# Altium PCB GenPulseBox.PcbDoc (part 1 of 3)
Units mm, origin at the board's own origin, x right, y up, seen from the top; angles counter-clockwise.
Board outline 140 x 74.6 mm, 4 copper layers (Top Layer, Mid-Layer 1, Mid-Layer 2, Bottom Layer), stack 1.572 mm thick; 214 components, 189 nets, 883 pads, 234 vias.
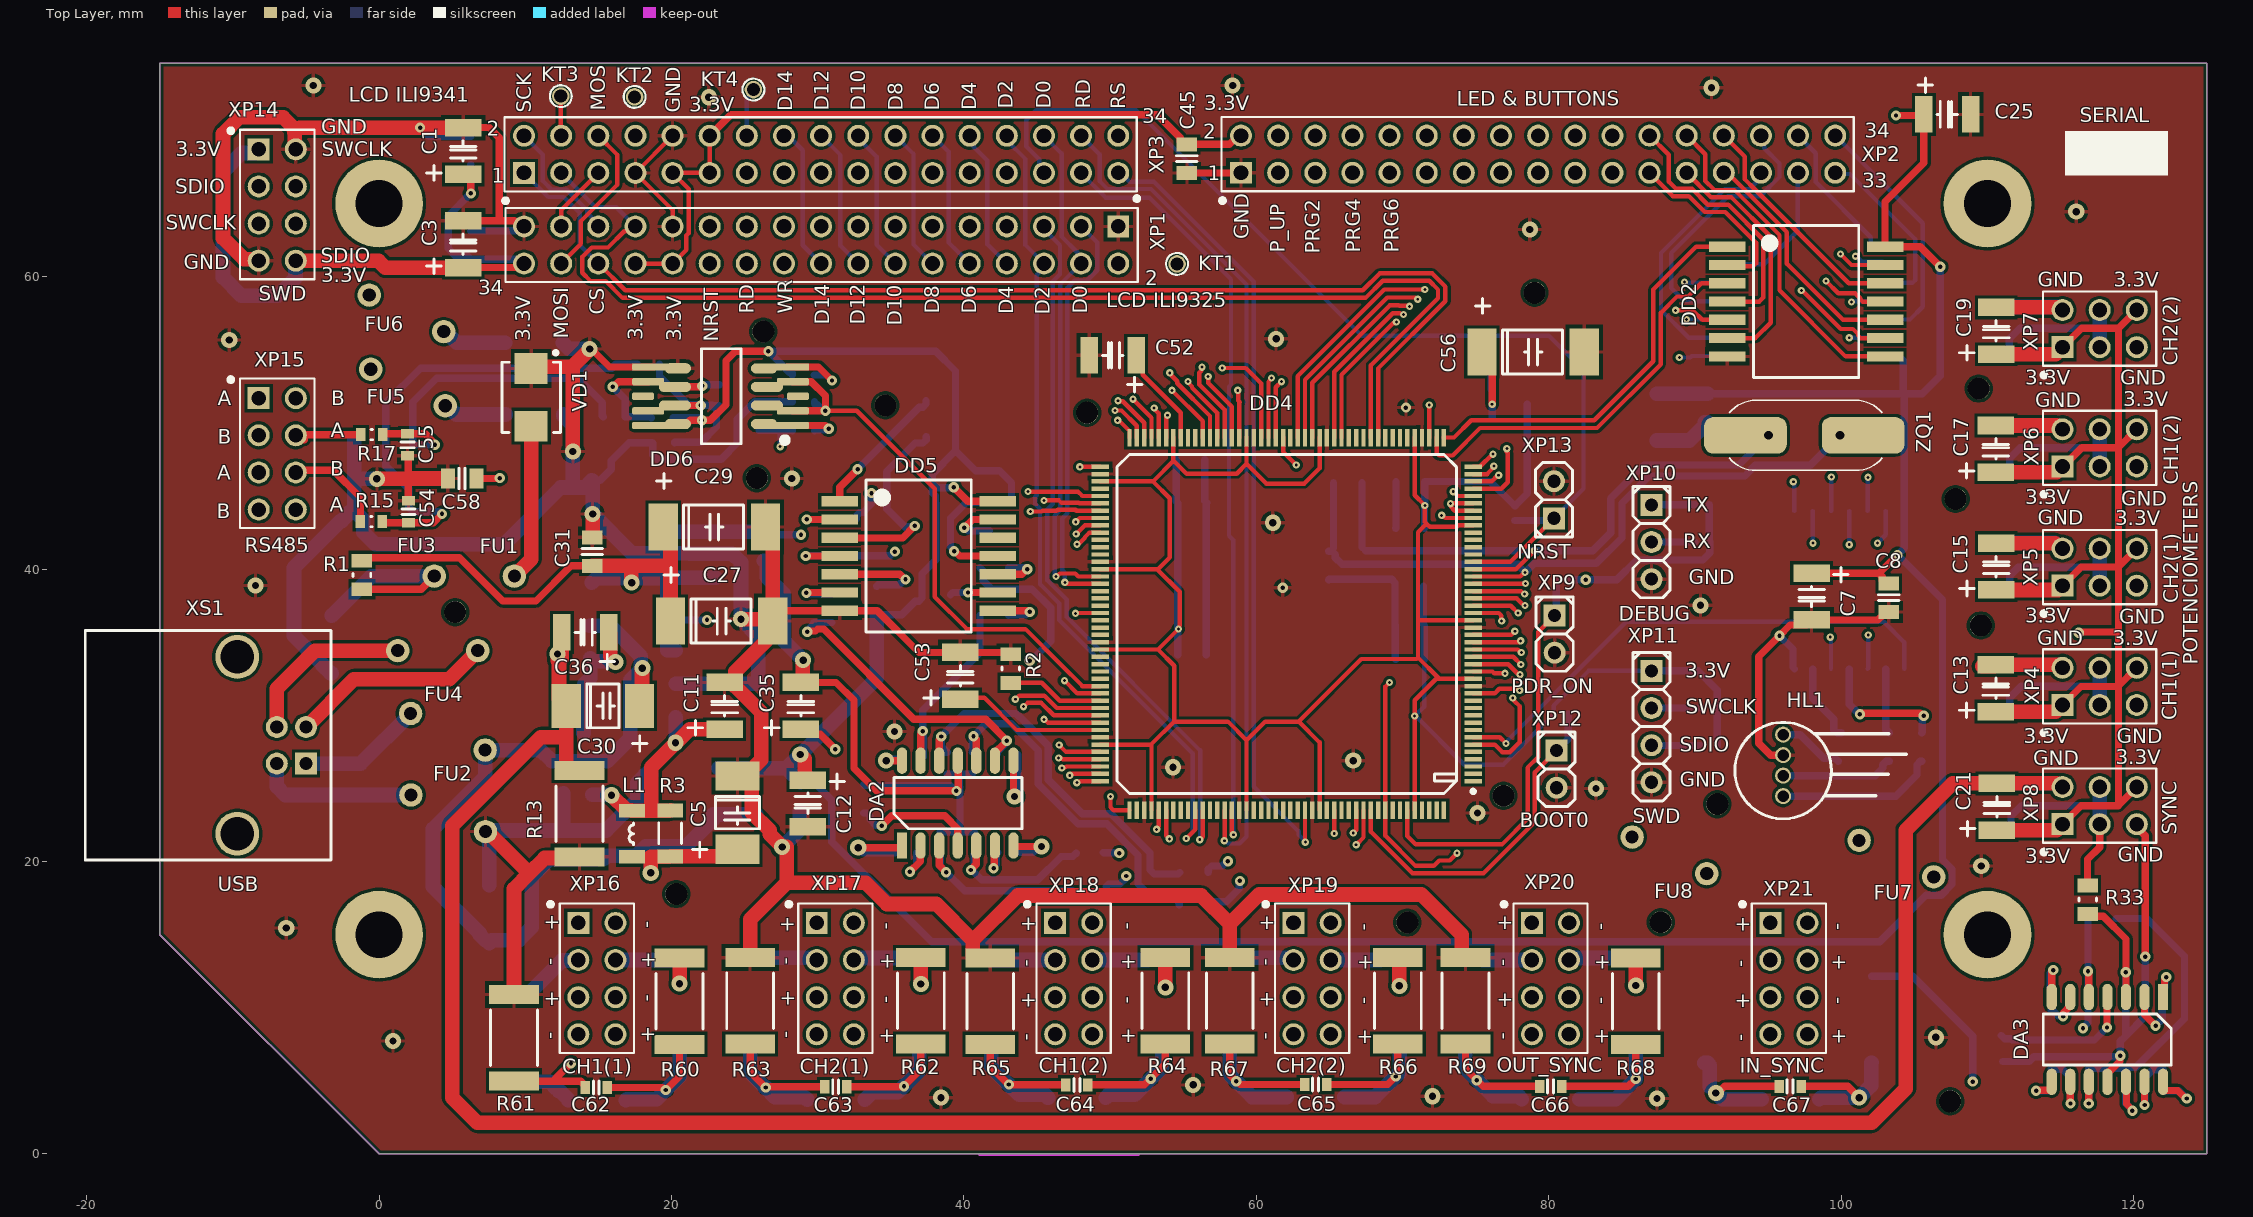
[diagram p0: Top Layer view]
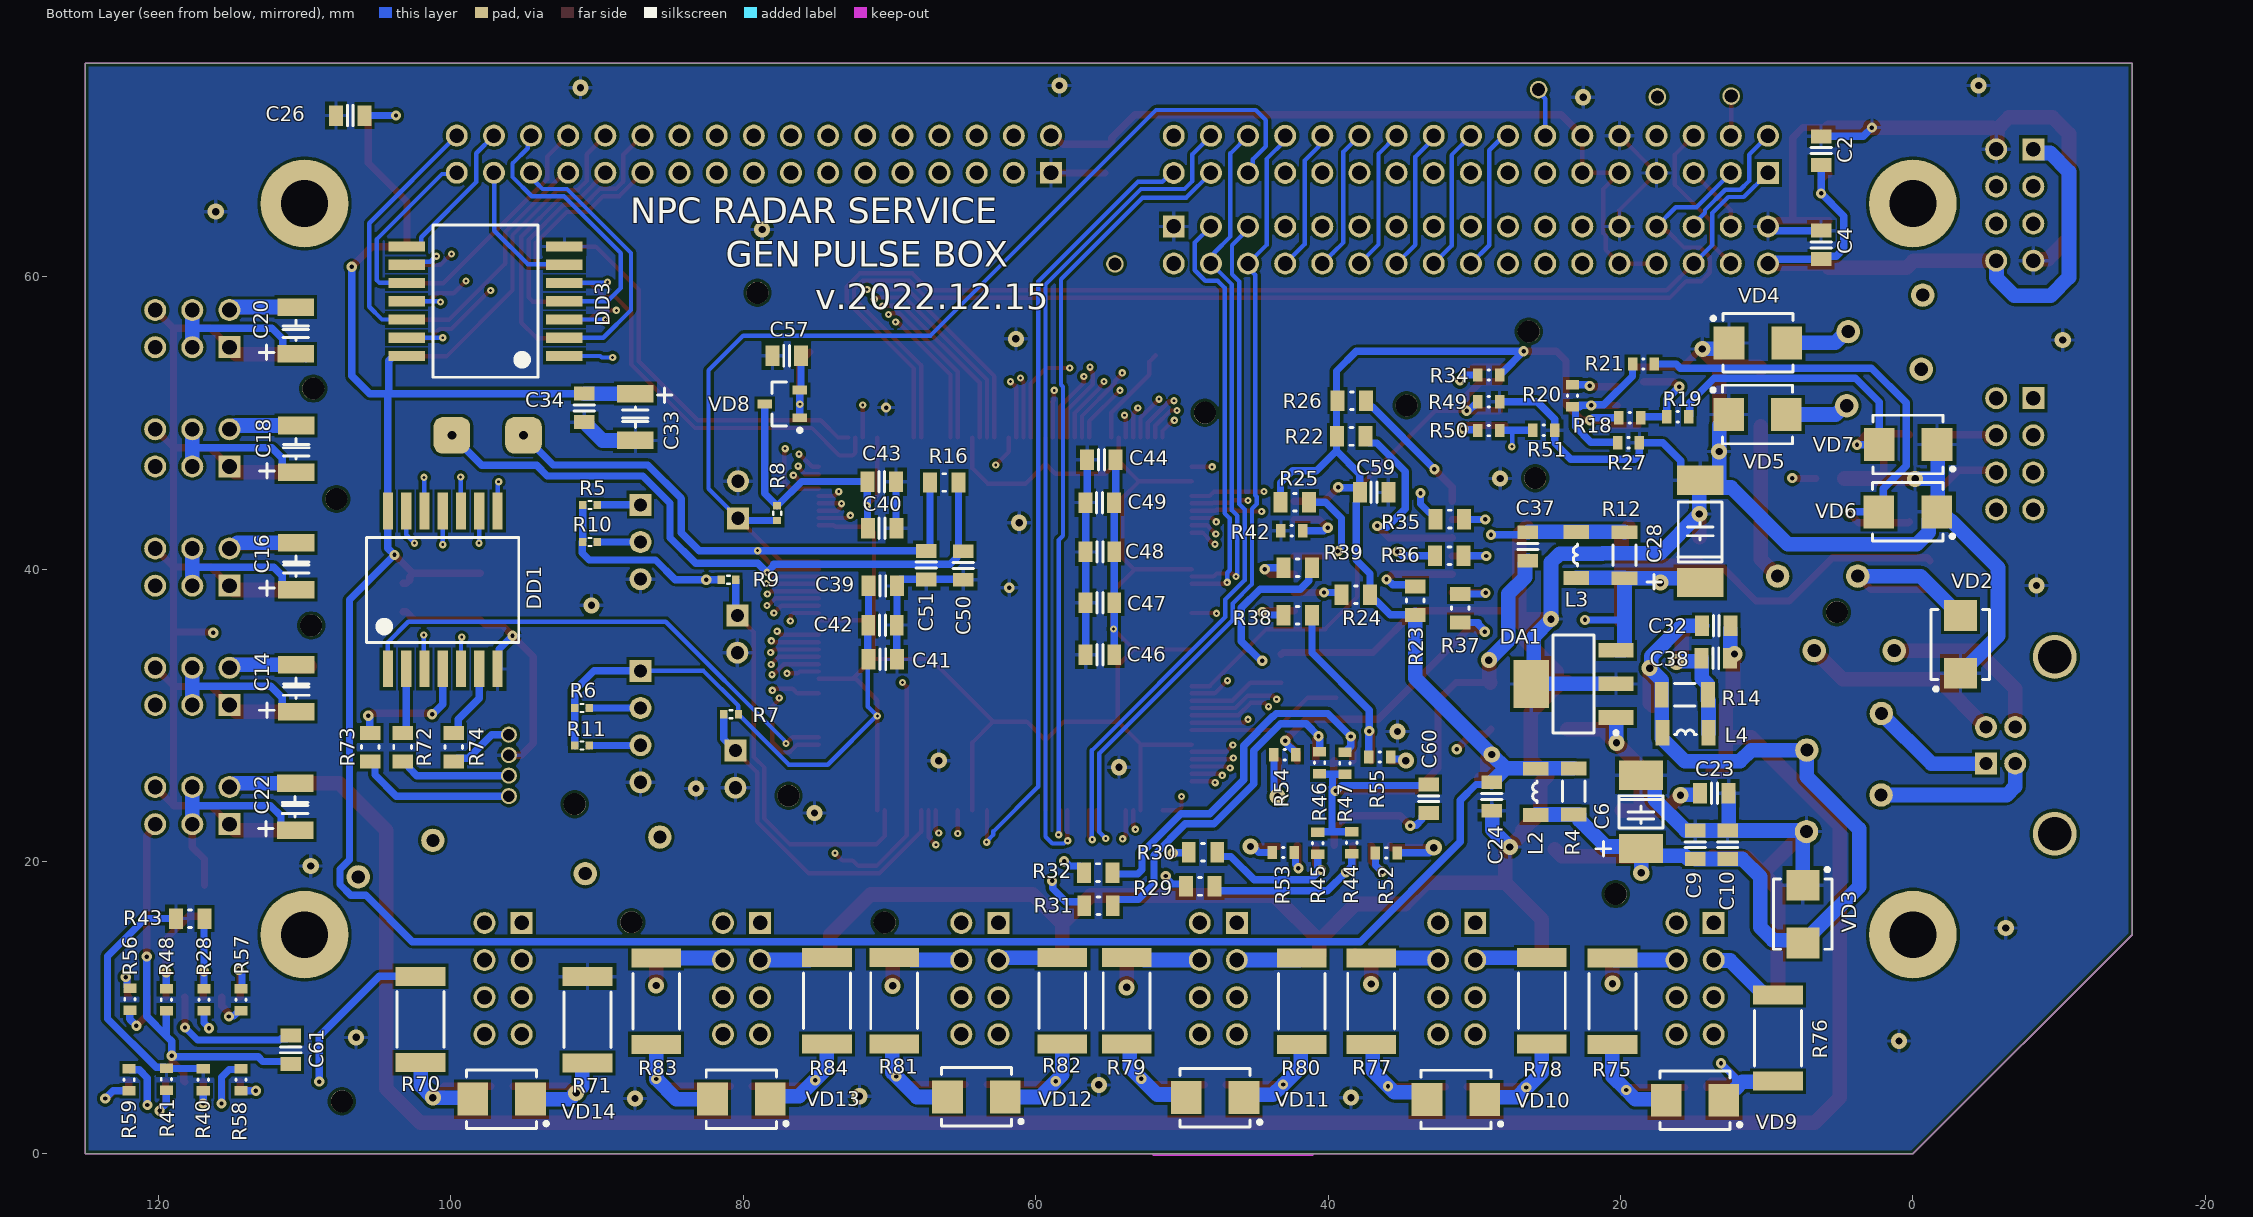
[diagram p1: Bottom Layer view, seen from below]
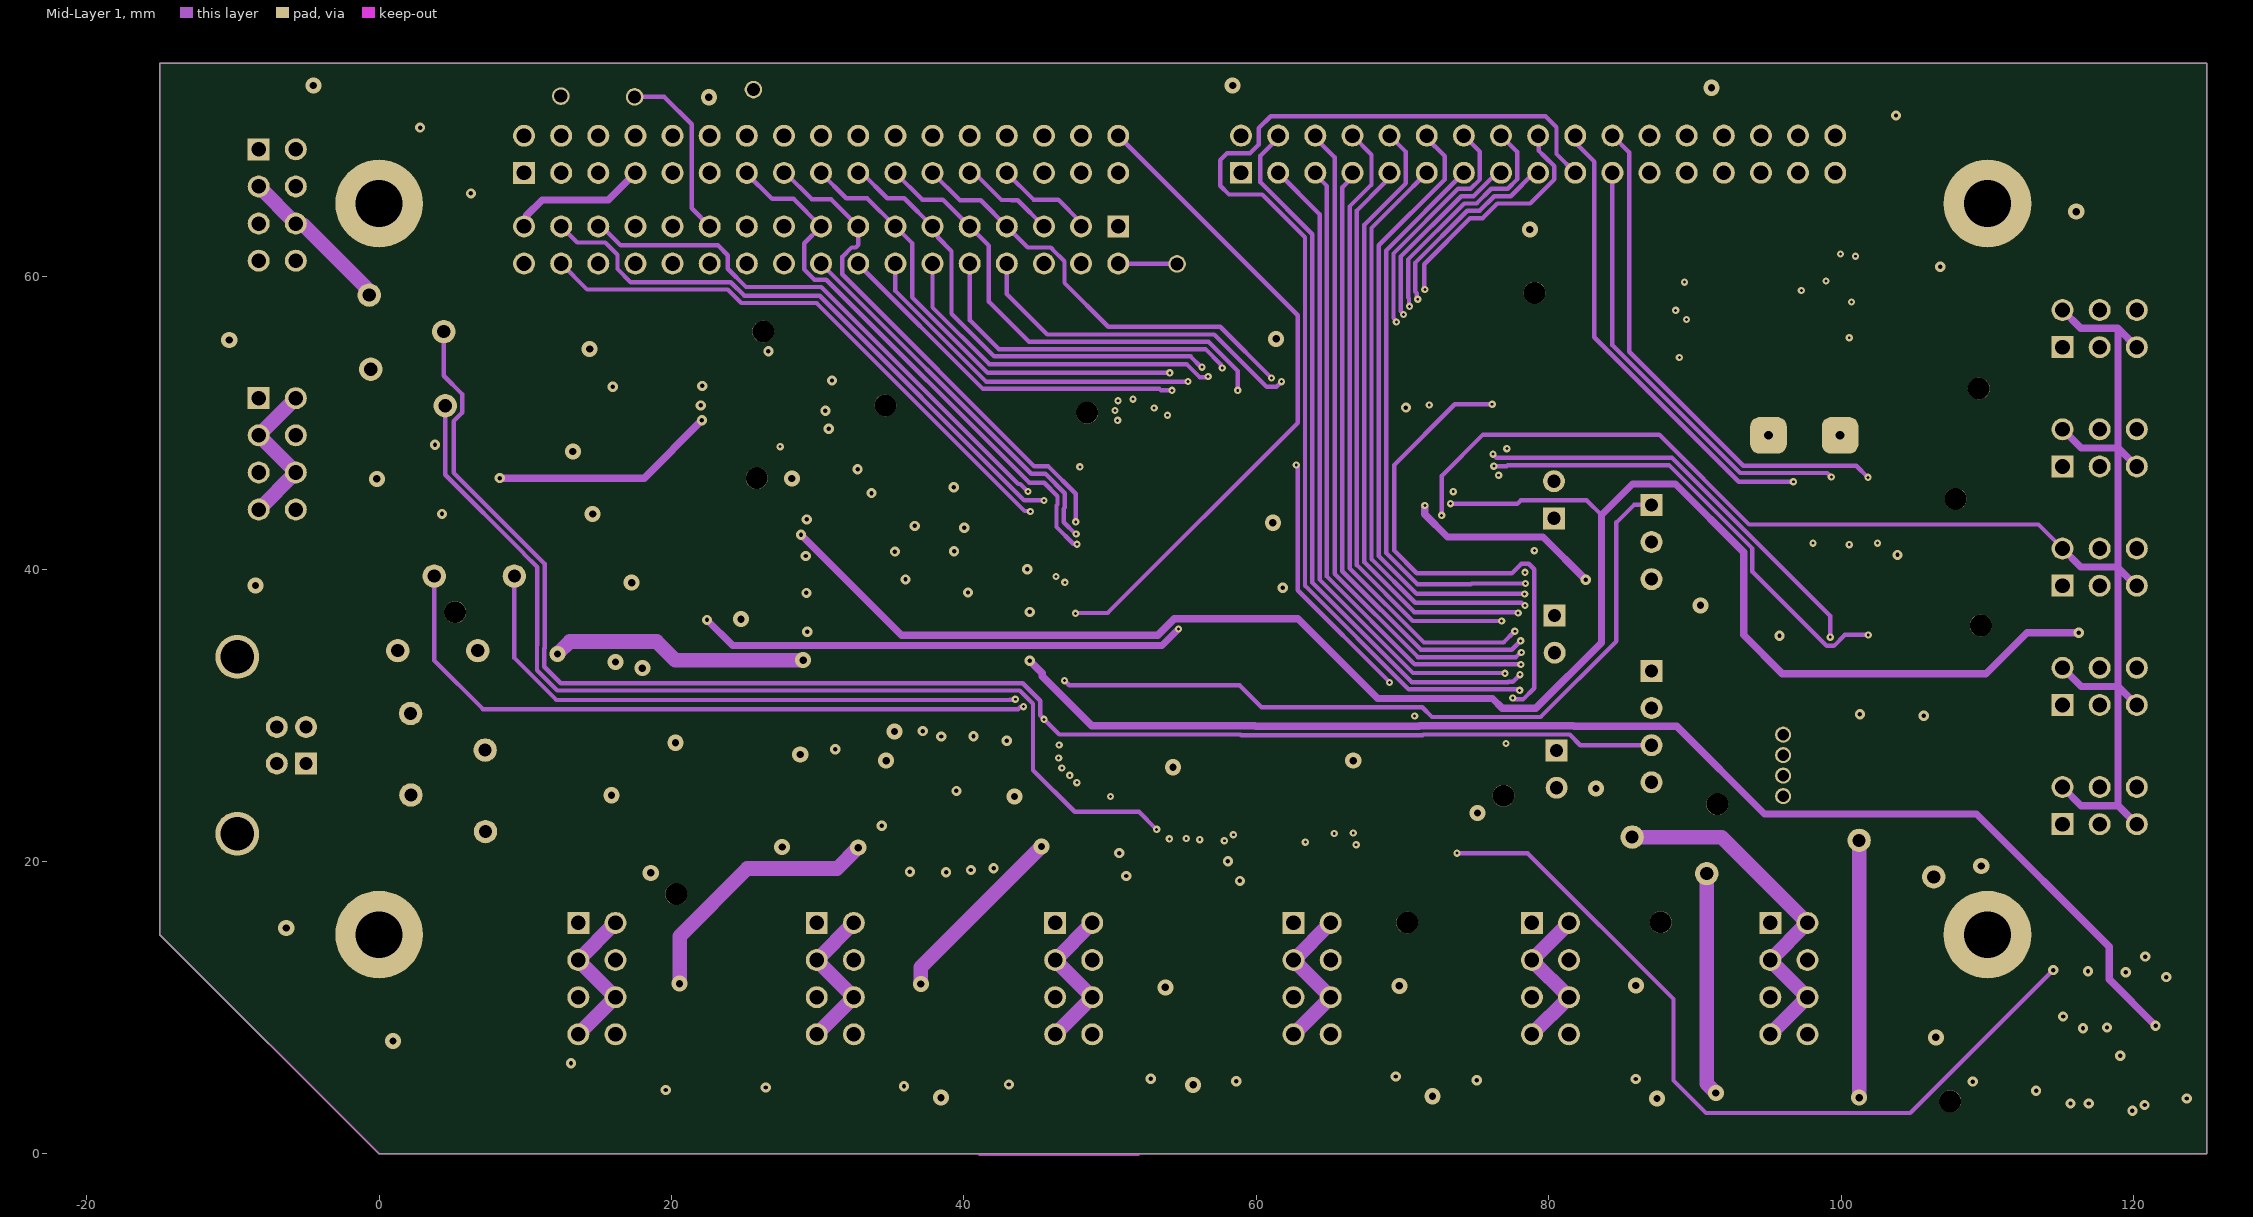
[diagram p2: Mid-Layer 1]
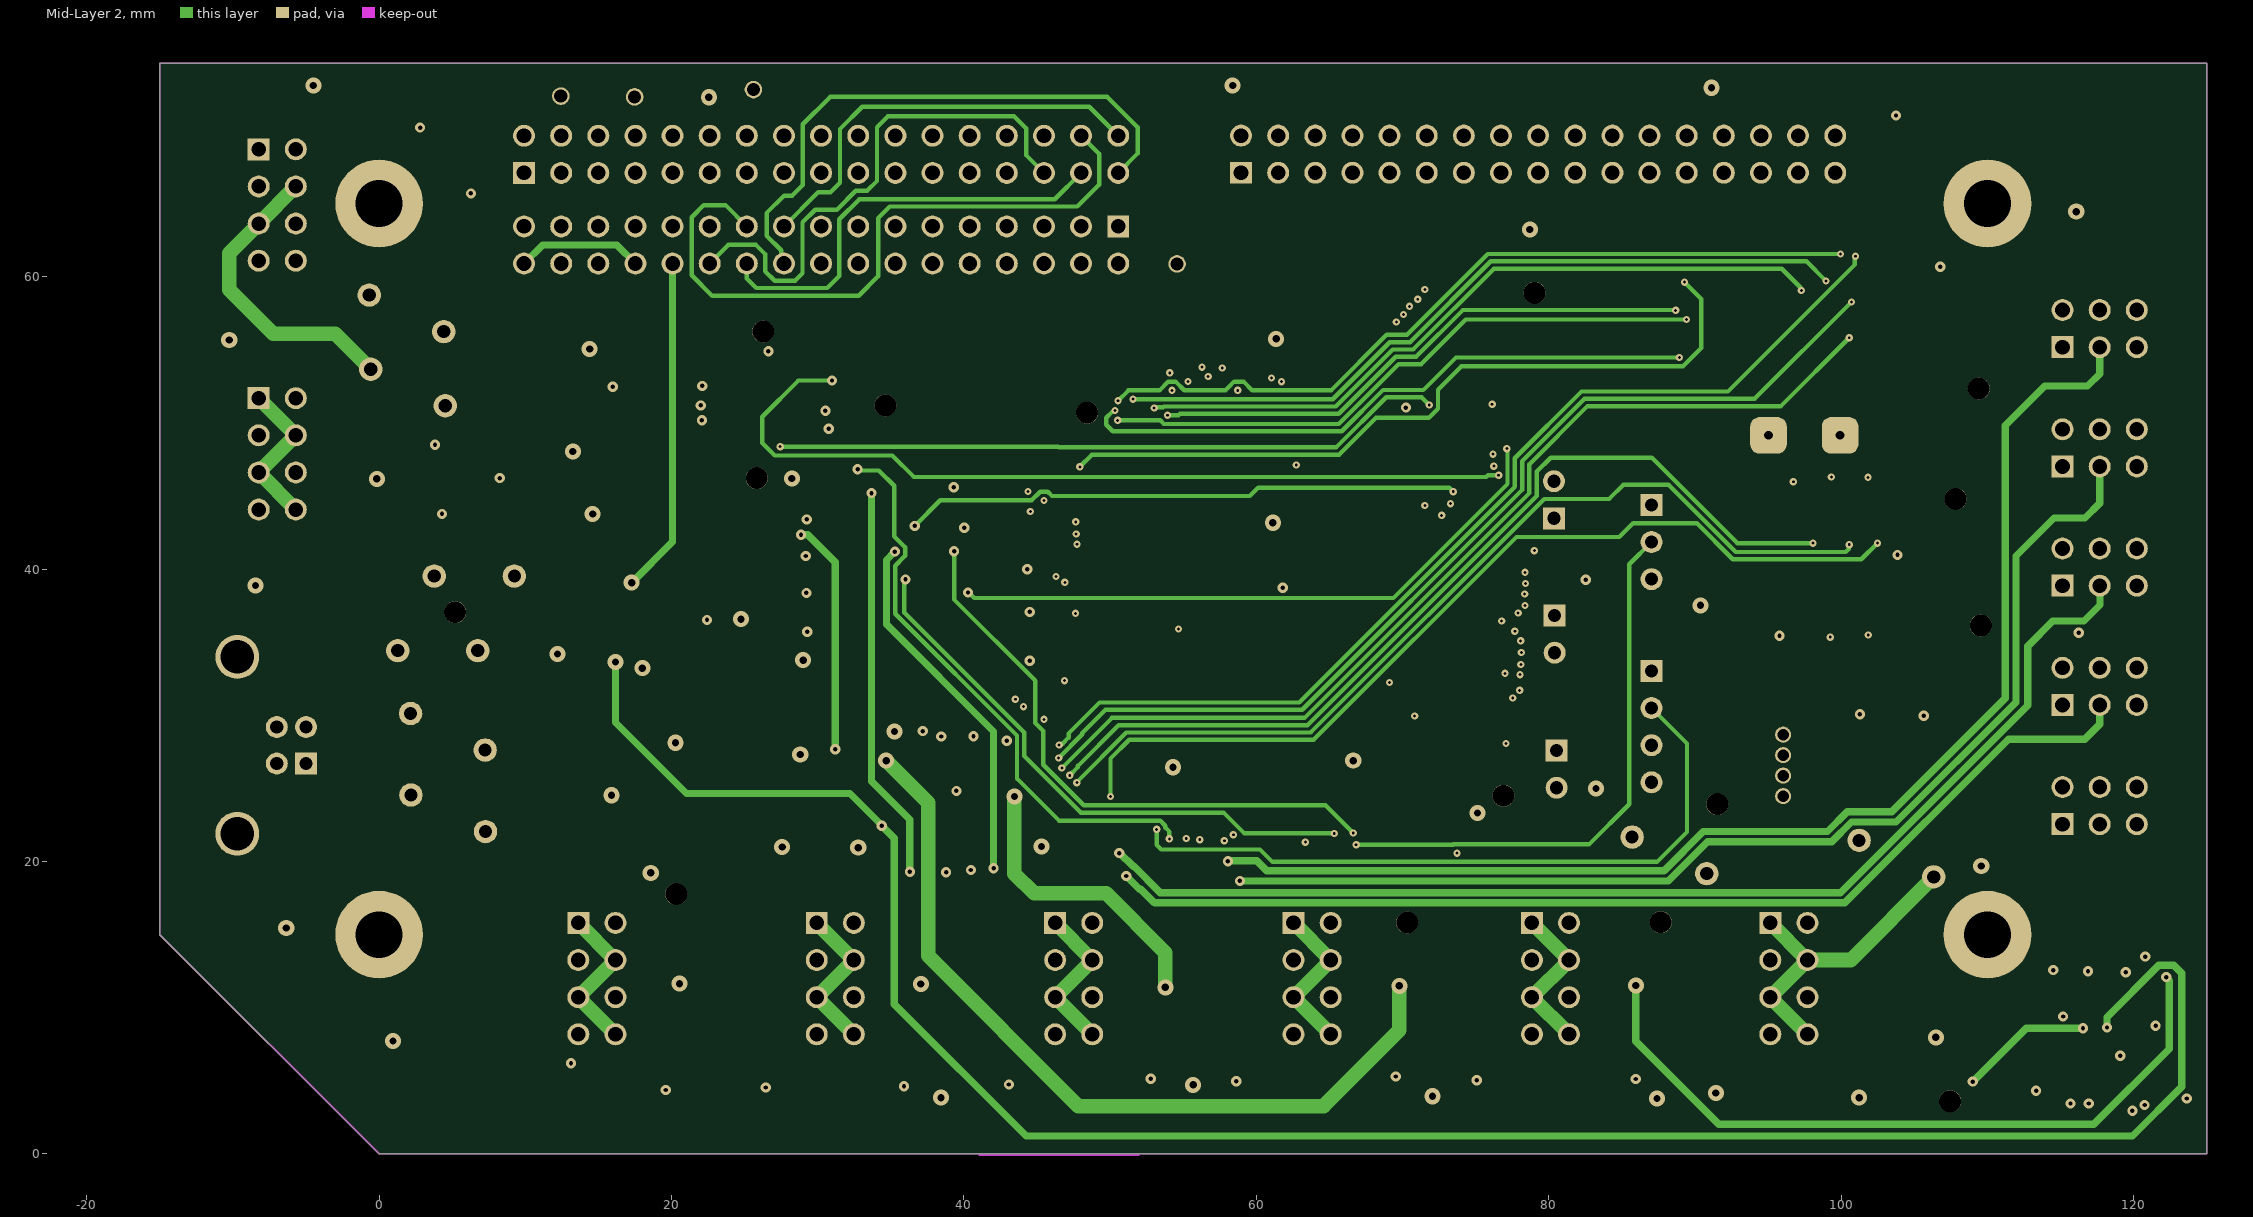
[diagram p3: Mid-Layer 2]

## Layer stack, top to bottom
Top Solder: solder mask 0.0102, Solder Resist, Dk 3.5
Top Layer: signal copper 0.018
Dielectric 1: dielectric 0.5, FR-4, Dk 4.8
Mid-Layer 1: signal copper 0.018
Dielectric2: dielectric 0.5, FR-4, Dk 4.8
Mid-Layer 2: signal copper 0.018
Dielectric3: dielectric 0.5, FR-4, Dk 4.8
Bottom Layer: signal copper 0.018
Bottom Solder: solder mask 0.0102, Solder Resist, Dk 3.5

## Board outline
0,0 -15,15 -15,74.6 125,74.6 125,0

## Design rules (kind name [scope] priority, off if disabled: settings)
Clearance [All] p1: gap=0.2 ignorepadtopadclearanceinfootprint=FALSE
PolygonConnect [All] p1: connectstyle=Relief reliefconductorwidth=0.254 reliefentries=4 polygonreliefangle="90 Angle" airgapwidth=0.254
RoutingVias [All] p1: holewidth=0.3 width=0.7 viastyle="Through Hole" minholewidth=0.2 minwidth=0.5 maxholewidth=0.5 maxwidth=1.1
SolderMaskExpansion [All] p1: expansion=0.102 istentingtop=FALSE
Width [All] p1: maxlimit=1 minlimit=0.3 preferedwidth=0.5
30 further rules are at their usual default settings.

## Components (designator, comment, footprint, x,y, rotation, side; value= is the part's Value field where it differs from the comment)
C1 "PolCap" CapCaseB 5.75,68.6 r0 top value=4,7мк
C2 "Capacitor" Cap0805 6.275,68.625 r180 bottom value=0,1мк
C3 "PolCap" CapCaseB 5.75,62.225 r0 top value=4,7мк
C4 "Capacitor" Cap0805 6.275,62.175 r180 bottom value=0,1мк
C5 "PolCap" CapCaseC 24.504,23.346 r0 top value=22мк
C6 "PolCap" CapCaseC 18.596,23.4 r180 bottom value=22мк
C7 "PolCap" CapCaseB 97.975,38.125 r180 top value=4,7мк
C8 "Capacitor" Cap0805 103.25,38.05 r0 top value=0,1мк
C9 "Capacitor" Cap0805 14.879,21.15 r180 bottom value=0,1мкФ
C10 "Capacitor" Cap0805 12.675,21.15 r180 bottom value=0,1мкФ
C11 "PolCap" CapCaseB 23.625,30.65 r0 top value=4,7мк
C12 "PolCap" CapCaseB 29.325,23.975 r180 top value=4,7мк
C13 "PolCap" CapCaseB 110.575,31.85 r0 top value=4,7мк
C14 "PolCap" CapCaseB 110.575,31.85 r180 bottom value=2,2мк
C15 "PolCap" CapCaseB 110.6,40.175 r0 top value=4,7мк
C16 "PolCap" CapCaseB 110.575,40.2 r180 bottom value=2,2мк
C17 "PolCap" CapCaseB 110.575,48.225 r0 top value=4,7мк
C18 "PolCap" CapCaseB 110.575,48.225 r180 bottom value=2,2мк
C19 "PolCap" CapCaseB 110.6,56.3 r0 top value=4,7мк
C20 "PolCap" CapCaseB 110.6,56.325 r180 bottom value=2,2мк
C21 "PolCap" CapCaseB 110.65,23.75 r0 top value=4,7мк
C22 "PolCap" CapCaseB 110.65,23.75 r180 bottom value=2,2мк
C23 "Capacitor" Cap0805 13.575,24.675 r270 bottom value=0,1мкФ
C24 "Capacitor" Cap0805 28.8,24.45 r0 bottom value=0,1мкФ
C25 "PolCap" CapCaseB 107.25,71.1 r270 top value=4,7мк
C26 "Capacitor" Cap0805 106.875,71.025 r270 bottom value=0,1мк
C27 "PolCap" CapCaseD 23.425,36.45 r270 top value=330мк
C28 "PolCap" CapCaseD 14.546,42.583 r180 bottom value=330мк
C29 "PolCap" CapCaseD 22.925,42.879 r270 top value=330мк
C30 "PolCap" CapCaseC 15.3,30.65 r90 top value=22мк
C31 "Capacitor" Cap0805 14.579,41.2 r0 top value=0,1мкФ
C32 "Capacitor" Cap0805 13.45,36.125 r270 bottom value=0,1мкФ
C33 "PolCap" CapCaseB 87.375,50.4 r0 bottom value=4,7мк
C34 "Capacitor" Cap0805 90.875,51.025 r180 bottom value=0,1мк
C35 "PolCap" CapCaseB 28.85,30.65 r0 top value=4,7мк
C36 "PolCap" CapCaseB 14.1,35.675 r90 top value=4,7мк
C37 "Capacitor" Cap0805 26.325,41.55 r0 bottom value=0,1мкФ
C38 "Capacitor" Cap0805 13.475,33.9 r270 bottom value=0,1мкФ
C39 "Capacitor" Cap0805 70.45,38.85 r270 bottom value=0,1мк
C40 "Capacitor" Cap0805 70.5,42.8 r270 bottom value=0,1мк
C41 "Capacitor" Cap0805 70.45,33.825 r270 bottom value=0,1мк
C42 "Capacitor" Cap0805 70.475,36.175 r270 bottom value=0,1мк
C43 "Capacitor" Cap0805 70.525,45.975 r270 bottom value=0,1мк
C44 "Capacitor" Cap0805 55.5,47.475 r90 bottom value=0,1мк
C45 "Capacitor" Cap0805 55.25,68.075 r180 top value=0,1мк
C46 "Capacitor" Cap0805 55.6,34.15 r90 bottom value=0,1мк
C47 "Capacitor" Cap0805 55.6,37.7 r90 bottom value=0,1мк
C48 "Capacitor" Cap0805 55.6,41.175 r90 bottom value=0,1мк
C49 "Capacitor" Cap0805 55.625,44.55 r90 bottom value=0,01мк
C50 "Capacitor" Cap0805 64.95,40.25 r0 bottom value=16
C51 "Capacitor" Cap0805 67.475,40.275 r0 bottom value=16
C52 "PolCap" CapCaseB 50.175,54.625 r90 top value=2,2мк
C53 "PolCap" CapCaseB 39.75,32.7 r0 top value=2,2мк
C54 "Capacitor" Cap0603 2,43.925 r0 top value=10
C55 "Capacitor" Cap0603 1.95,48.5 r180 top value=10
C56 "PolCap" CapCaseD 78.925,54.85 r270 top value=330мк
C57 "Capacitor" Cap0805 77.025,54.6 r90 bottom value=0,1мкФ
C58 "Capacitor" Cap0805 5.675,46.2 r90 top value=0,1мк
C59 "Capacitor" Cap0805 36.85,45.25 r270 bottom value=0,1мкФ
C60 "Capacitor" Cap0805 33.125,24.296 r180 bottom value=0,1мкФ
C61 "Capacitor" Cap0805 110.95,7.125 r0 bottom value=0,1мкФ
C62 "Capacitor" Cap0603 14.85,4.55 r90 top value=10
C63 "Capacitor" Cap0603 31.225,4.6 r90 top value=10
C64 "Capacitor" Cap0603 47.725,4.725 r90 top value=10
C65 "Capacitor" Cap0603 64.05,4.75 r90 top value=10
C66 "Capacitor" Cap0603 80.125,4.625 r90 top value=10
C67 "Capacitor" Cap0603 96.5,4.625 r90 top value=10
DA1 "LM2937IMP-3.3" SOT223 23.2,32.15 r0 bottom
DA2 "AD824" SOIC14 39.575,23.996 r90 top
DA3 "AD824" SOIC14 118.205,7.835 r270 top
DD1 "1533LN1" 401.14-5 100.55,38.575 r90 bottom
DD2 "1533LN1" 401.14-5 97.6,58.3 r0 top
DD3 "1533LN1" 401.14-5 97.625,58.325 r0 bottom
DD4 "STM32F407IGT6" LQFP176 62.075,36.25 r180 top
DD5 "1533LN1" 401.14-5 36.9,40.9 r0 top
DD6 "5559IN10U" H02.8-1B_SOIC8 23.35,51.725 r180 top
FU1 "Predoxranitel" MF-R50 6.75,36.975 r90 top
FU2 "Predoxranitel" MF-R185 4.725,22.05 r180 top
FU3 "Predoxranitel" MF-R50 1.275,36.975 r90 top
FU4 "Predoxranitel" MF-R185 4.7,27.625 r180 top
FU5 "Predoxranitel" MF-R50 1.975,51.175 r180 top
FU6 "Predoxranitel" MF-R50 1.875,56.244 r180 top
FU7 "Predoxranitel" MF-R50 103.775,21.45 r0 top
FU8 "Predoxranitel" MF-R50 88.25,19.175 r180 top
HL1 "LED-RGB_C" BL-L515 96.025,24.475 r90 top
KT1 "Kont" TESTPOINT 54.575,60.875 r0 top
KT2 "Kont" TESTPOINT 17.475,72.3 r90 top
KT3 "Kont" TESTPOINT 12.425,72.35 r90 top
KT4 "Kont" TESTPOINT 25.6,72.8 r90 top
L1 "Ferrit" Ind1206 17.296,21.9 r180 top value=600R/100MГц
L2 "Ferrit" Ind1206 25.804,24.771 r0 bottom value=600R/100MГц
L3 "Ferrit" Ind1206 23.025,40.975 r0 bottom value=600R/100MГц
L4 "Ferrit" Ind1206 15.55,28.796 r90 bottom value=600R/100MГц
R1 "Resistor0125" Res0805 -1.175,39.6 r0 top value=1,5к
R2 "Resistor0125" Res0805 43.2,33.2 r0 top value=100к
R3 "Resistor025" Res1206 19.9,21.925 r180 top value=100
R4 "Resistor025" Res1206 23.2,24.796 r0 bottom value=100
R5 "Resistor0062" Res0402 90.475,44.395 r270 bottom value=10к
R6 "Resistor0062" Res0402 91.025,30.505 r270 bottom value=10к
R7 "Resistor0062" Res0402 80.825,30.075 r90 bottom value=10к
R8 "Resistor0062" Res0402 77.675,43.825 r180 bottom value=10к
R9 "Resistor0062" Res0402 81,39.275 r90 bottom value=10к
R10 "Resistor0062" Res0402 90.475,41.85 r270 bottom value=10к
R11 "Resistor0062" Res0402 91.025,27.93 r270 bottom value=10к
R12 "Resistor025" Res1206 19.725,40.95 r0 bottom value=100
R13 "Resistor1" Res2512 13.7,23.275 r180 top value=0,15
R14 "Resistor025" Res1206 15.6,31.4 r90 bottom value=100
R15 "Resistor01" Res0603 -0.525,43.25 r90 top value=10
R16 "Resistor0125" Res0805 66.25,45.925 r90 bottom value=10М
R17 "Resistor01" Res0603 -0.5,49.2 r90 top value=10
R18 "Resistor01" Res0603 19.366,50.35 r90 bottom value=10к
R19 "Resistor01" Res0603 16.075,50.425 r270 bottom value=10
R20 "Resistor01" Res0603 23.275,51.854 r180 bottom value=10к
R21 "Resistor01" Res0603 18.425,54.025 r270 bottom value=10
R22 "Resistor0125" Res0805 38.4,49.075 r270 bottom value=10М
R23 "Resistor0125" Res0805 34.025,37.85 r180 bottom value=10М
R24 "Resistor0125" Res0805 38.1,38.25 r90 bottom value=10М
R25 "Resistor0125" Res0805 42.275,44.575 r270 bottom value=10М
R26 "Resistor0125" Res0805 38.375,51.525 r270 bottom value=10М
R27 "Resistor01" Res0603 19.45,48.646 r90 bottom value=10к
R28 "Resistor01" Res0603 116.875,10.55 r180 bottom value=10к
R29 "Resistor0125" Res0805 48.75,18.298 r270 bottom value=1к
R30 "Resistor0125" Res0805 48.55,20.625 r270 bottom value=1к
R31 "Resistor0125" Res0805 55.7,16.975 r270 bottom value=1к
R32 "Resistor0125" Res0805 55.725,19.25 r270 bottom value=1к
R33 "Resistor0125" Res0805 116.85,17.4 r180 top value=1к
R34 "Resistor01" Res0603 28.996,53.275 r270 bottom value=10к
R35 "Resistor0125" Res0805 31.675,43.425 r90 bottom value=1к
R36 "Resistor0125" Res0805 31.7,40.925 r90 bottom value=1к
R37 "Resistor0125" Res0805 30.95,37.325 r0 bottom value=1к
R38 "Resistor0125" Res0805 42.075,36.85 r270 bottom value=1к
R39 "Resistor0125" Res0805 42.075,40.1 r270 bottom value=1к
R40 "Resistor01" Res0603 116.925,5.075 r0 bottom value=10к